# Altium PCB raspberry pi4.PcbDoc (part 1 of 2) (continued)
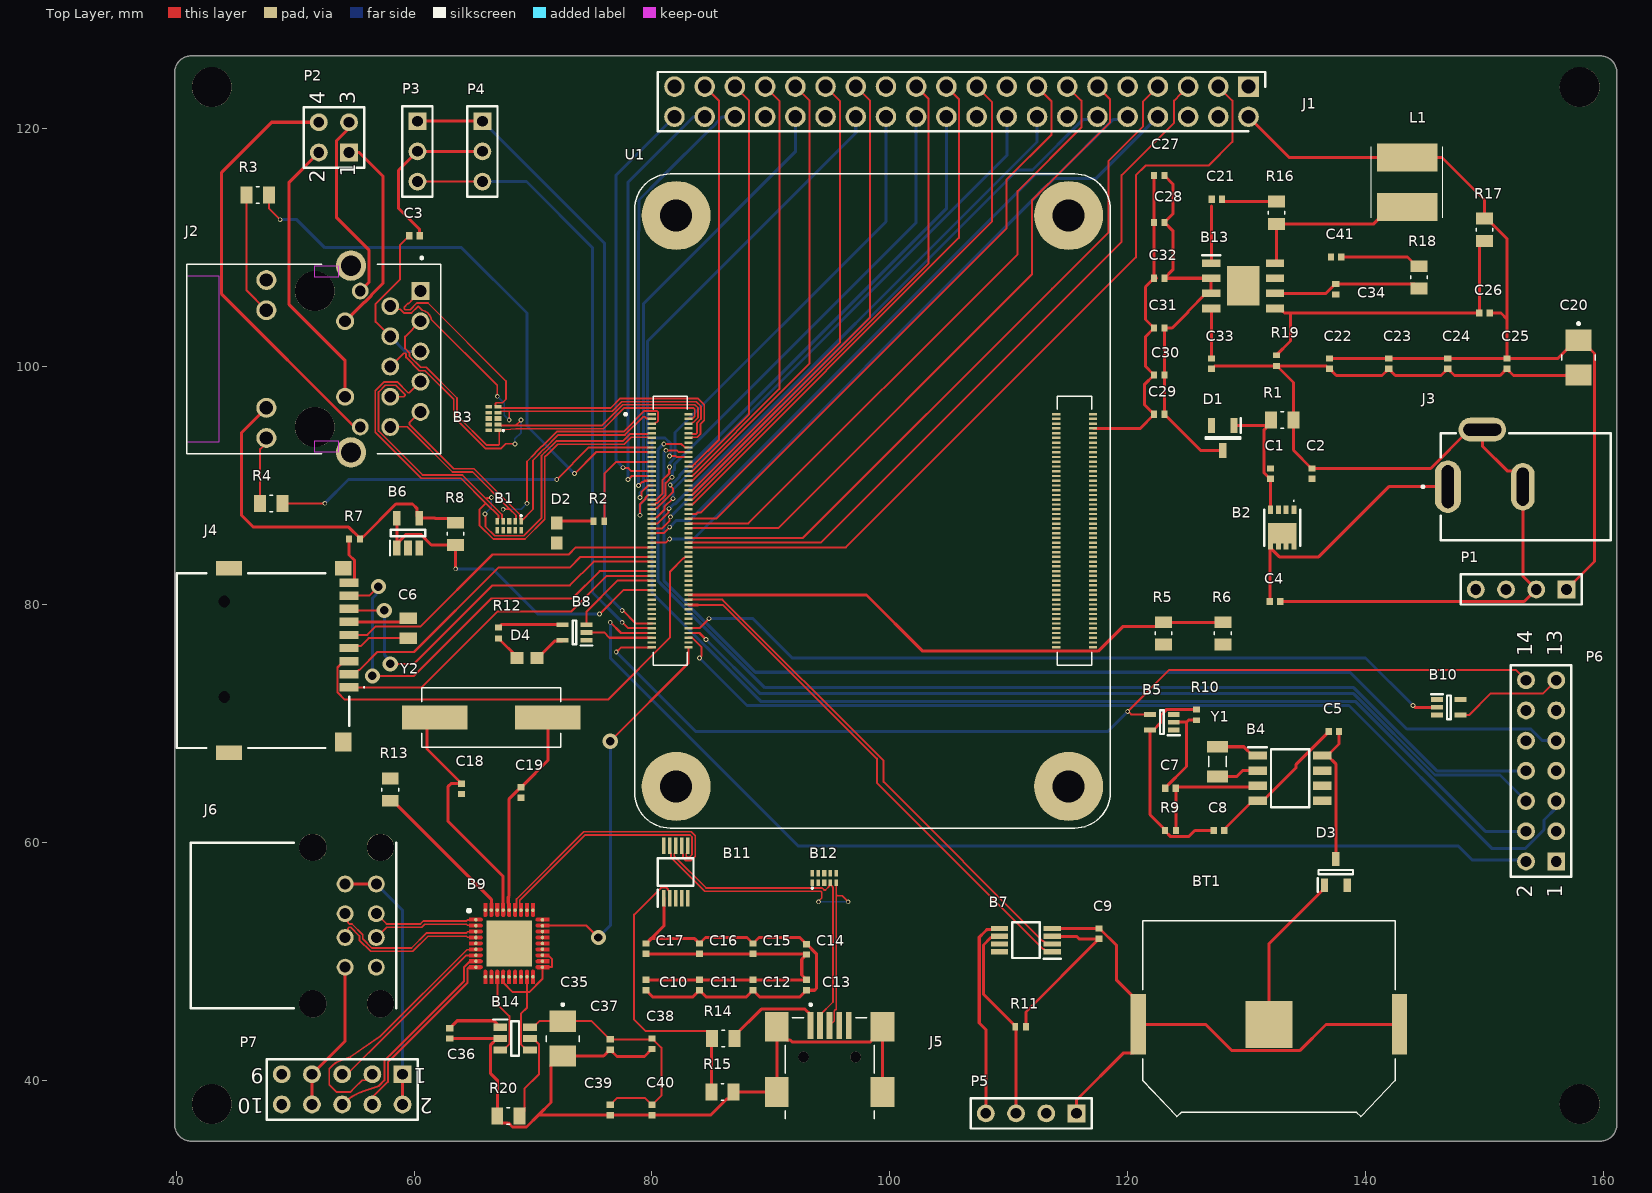
[diagram p0: Top Layer view]
## Footprints (in the part's own frame and the unit in brackets; to place one, negate y for a bottom-side part, rotate by r counter-clockwise, add the part's x,y. Pads: shape width x height; smd on the part's side, far side on the other; paste and mask are expansions set on the pad) (continued)
  rrect0% 3.85x3.85 smd: 37(0,0)
  Top Layer region: -1.85,3.375 -1.849,2.375 -1.854,2.336 -1.869,2.299 -1.893,2.268 -1.924,2.244 -1.961,2.229 -2,2.224 -2.039,2.229 -2.076,2.244 -2.107,2.268 -2.131,2.299 -2.146,2.336 -2.151,2.375 -2.15,2.375 -2.15,3.375 -1.85,3.375
  Top Layer region: -1.35,3.375 -1.349,2.375 -1.354,2.336 -1.369,2.299 -1.393,2.268 -1.424,2.244 -1.461,2.229 -1.5,2.224 -1.539,2.229 -1.576,2.244 -1.607,2.268 -1.631,2.299 -1.646,2.336 -1.651,2.375 -1.65,2.375 -1.65,3.375 -1.35,3.375
  Top Layer region: -0.85,3.375 -0.849,2.375 -0.854,2.336 -0.869,2.299 -0.893,2.268 -0.924,2.244 -0.961,2.229 -1,2.224 -1.039,2.229 -1.076,2.244 -1.107,2.268 -1.131,2.299 -1.146,2.336 -1.151,2.375 -1.15,2.375 -1.15,3.375 -0.85,3.375
  Top Layer region: -0.35,3.375 -0.349,2.375 -0.354,2.336 -0.369,2.299 -0.393,2.268 -0.424,2.244 -0.461,2.229 -0.5,2.224 -0.539,2.229 -0.576,2.244 -0.607,2.268 -0.631,2.299 -0.646,2.336 -0.651,2.375 -0.65,2.375 -0.65,3.375 -0.35,3.375
  Top Layer region: 0.15,3.375 0.151,2.375 0.146,2.336 0.131,2.299 0.107,2.268 0.076,2.244 0.039,2.229 0,2.224 -0.039,2.229 -0.076,2.244 -0.107,2.268 -0.131,2.299 -0.146,2.336 -0.151,2.375 -0.15,2.375 -0.15,3.375 0.15,3.375
  Top Layer region: 0.65,3.375 0.651,2.375 0.646,2.336 0.631,2.299 0.607,2.268 0.576,2.244 0.539,2.229 0.5,2.224 0.461,2.229 0.424,2.244 0.393,2.268 0.369,2.299 0.354,2.336 0.349,2.375 0.35,2.375 0.35,3.375 0.65,3.375
  Top Layer region: 1.15,3.375 1.151,2.375 1.146,2.336 1.131,2.299 1.107,2.268 1.076,2.244 1.039,2.229 1,2.224 0.961,2.229 0.924,2.244 0.893,2.268 0.869,2.299 0.854,2.336 0.849,2.375 0.85,2.375 0.85,3.375 1.15,3.375
  Top Layer region: 1.65,3.375 1.651,2.375 1.646,2.336 1.631,2.299 1.607,2.268 1.576,2.244 1.539,2.229 1.5,2.224 1.461,2.229 1.424,2.244 1.393,2.268 1.369,2.299 1.354,2.336 1.349,2.375 1.35,2.375 1.35,3.375 1.65,3.375
  Top Layer region: 2.15,3.375 2.151,2.375 2.146,2.336 2.131,2.299 2.107,2.268 2.076,2.244 2.039,2.229 2,2.224 1.961,2.229 1.924,2.244 1.893,2.268 1.869,2.299 1.854,2.336 1.849,2.375 1.85,2.375 1.85,3.375 2.15,3.375
  Top Layer region: 3.375,1.85 2.375,1.849 2.336,1.854 2.299,1.869 2.268,1.893 2.244,1.924 2.229,1.961 2.224,2 2.229,2.039 2.244,2.076 2.268,2.107 2.299,2.131 2.336,2.146 2.375,2.151 2.375,2.15 3.375,2.15 3.375,1.85
  Top Layer region: 3.375,1.35 2.375,1.349 2.336,1.354 2.299,1.369 2.268,1.393 2.244,1.424 2.229,1.461 2.224,1.5 2.229,1.539 2.244,1.576 2.268,1.607 2.299,1.631 2.336,1.646 2.375,1.651 2.375,1.65 3.375,1.65 3.375,1.35
  Top Layer region: 3.375,0.85 2.375,0.849 2.336,0.854 2.299,0.869 2.268,0.893 2.244,0.924 2.229,0.961 2.224,1 2.229,1.039 2.244,1.076 2.268,1.107 2.299,1.131 2.336,1.146 2.375,1.151 2.375,1.15 3.375,1.15 3.375,0.85
  Top Layer region: 3.375,0.35 2.375,0.349 2.336,0.354 2.299,0.369 2.268,0.393 2.244,0.424 2.229,0.461 2.224,0.5 2.229,0.539 2.244,0.576 2.268,0.607 2.299,0.631 2.336,0.646 2.375,0.651 2.375,0.65 3.375,0.65 3.375,0.35
  Top Layer region: 3.375,-0.15 2.375,-0.151 2.336,-0.146 2.299,-0.131 2.268,-0.107 2.244,-0.076 2.229,-0.039 2.224,0 2.229,0.039 2.244,0.076 2.268,0.107 2.299,0.131 2.336,0.146 2.375,0.151 2.375,0.15 3.375,0.15 3.375,-0.15
  Top Layer region: 3.375,-0.65 2.375,-0.651 2.336,-0.646 2.299,-0.631 2.268,-0.607 2.244,-0.576 2.229,-0.539 2.224,-0.5 2.229,-0.461 2.244,-0.424 2.268,-0.393 2.299,-0.369 2.336,-0.354 2.375,-0.349 2.375,-0.35 3.375,-0.35 3.375,-0.65
  Top Layer region: 3.375,-1.15 2.375,-1.151 2.336,-1.146 2.299,-1.131 2.268,-1.107 2.244,-1.076 2.229,-1.039 2.224,-1 2.229,-0.961 2.244,-0.924 2.268,-0.893 2.299,-0.869 2.336,-0.854 2.375,-0.849 2.375,-0.85 3.375,-0.85 3.375,-1.15
  Top Layer region: 3.375,-1.65 2.375,-1.651 2.336,-1.646 2.299,-1.631 2.268,-1.607 2.244,-1.576 2.229,-1.539 2.224,-1.5 2.229,-1.461 2.244,-1.424 2.268,-1.393 2.299,-1.369 2.336,-1.354 2.375,-1.349 2.375,-1.35 3.375,-1.35 3.375,-1.65
  Top Layer region: 3.375,-2.15 2.375,-2.151 2.336,-2.146 2.299,-2.131 2.268,-2.107 2.244,-2.076 2.229,-2.039 2.224,-2 2.229,-1.961 2.244,-1.924 2.268,-1.893 2.299,-1.869 2.336,-1.854 2.375,-1.849 2.375,-1.85 3.375,-1.85 3.375,-2.15
  Top Layer region: 1.85,-3.375 1.849,-2.375 1.854,-2.336 1.869,-2.299 1.893,-2.268 1.924,-2.244 1.961,-2.229 2,-2.224 2.039,-2.229 2.076,-2.244 2.107,-2.268 2.131,-2.299 2.146,-2.336 2.151,-2.375 2.15,-2.375 2.15,-3.375 1.85,-3.375
  Top Layer region: 1.35,-3.375 1.349,-2.375 1.354,-2.336 1.369,-2.299 1.393,-2.268 1.424,-2.244 1.461,-2.229 1.5,-2.224 1.539,-2.229 1.576,-2.244 1.607,-2.268 1.631,-2.299 1.646,-2.336 1.651,-2.375 1.65,-2.375 1.65,-3.375 1.35,-3.375
  Top Layer region: 0.85,-3.375 0.849,-2.375 0.854,-2.336 0.869,-2.299 0.893,-2.268 0.924,-2.244 0.961,-2.229 1,-2.224 1.039,-2.229 1.076,-2.244 1.107,-2.268 1.131,-2.299 1.146,-2.336 1.151,-2.375 1.15,-2.375 1.15,-3.375 0.85,-3.375
  Top Layer region: 0.35,-3.375 0.349,-2.375 0.354,-2.336 0.369,-2.299 0.393,-2.268 0.424,-2.244 0.461,-2.229 0.5,-2.224 0.539,-2.229 0.576,-2.244 0.607,-2.268 0.631,-2.299 0.646,-2.336 0.651,-2.375 0.65,-2.375 0.65,-3.375 0.35,-3.375
  Top Layer region: -0.15,-3.375 -0.151,-2.375 -0.146,-2.336 -0.131,-2.299 -0.107,-2.268 -0.076,-2.244 -0.039,-2.229 0,-2.224 0.039,-2.229 0.076,-2.244 0.107,-2.268 0.131,-2.299 0.146,-2.336 0.151,-2.375 0.15,-2.375 0.15,-3.375 -0.15,-3.375
  Top Layer region: -0.65,-3.375 -0.651,-2.375 -0.646,-2.336 -0.631,-2.299 -0.607,-2.268 -0.576,-2.244 -0.539,-2.229 -0.5,-2.224 -0.461,-2.229 -0.424,-2.244 -0.393,-2.268 -0.369,-2.299 -0.354,-2.336 -0.349,-2.375 -0.35,-2.375 -0.35,-3.375 -0.65,-3.375
  Top Layer region: -1.15,-3.375 -1.151,-2.375 -1.146,-2.336 -1.131,-2.299 -1.107,-2.268 -1.076,-2.244 -1.039,-2.229 -1,-2.224 -0.961,-2.229 -0.924,-2.244 -0.893,-2.268 -0.869,-2.299 -0.854,-2.336 -0.849,-2.375 -0.85,-2.375 -0.85,-3.375 -1.15,-3.375
  Top Layer region: -1.65,-3.375 -1.651,-2.375 -1.646,-2.336 -1.631,-2.299 -1.607,-2.268 -1.576,-2.244 -1.539,-2.229 -1.5,-2.224 -1.461,-2.229 -1.424,-2.244 -1.393,-2.268 -1.369,-2.299 -1.354,-2.336 -1.349,-2.375 -1.35,-2.375 -1.35,-3.375 -1.65,-3.375
  Top Layer region: -2.15,-3.375 -2.151,-2.375 -2.146,-2.336 -2.131,-2.299 -2.107,-2.268 -2.076,-2.244 -2.039,-2.229 -2,-2.224 -1.961,-2.229 -1.924,-2.244 -1.893,-2.268 -1.869,-2.299 -1.854,-2.336 -1.849,-2.375 -1.85,-2.375 -1.85,-3.375 -2.15,-3.375
  Top Layer region: -3.375,-1.85 -2.375,-1.849 -2.336,-1.854 -2.299,-1.869 -2.268,-1.893 -2.244,-1.924 -2.229,-1.961 -2.224,-2 -2.229,-2.039 -2.244,-2.076 -2.268,-2.107 -2.299,-2.131 -2.336,-2.146 -2.375,-2.151 -2.375,-2.15 -3.375,-2.15 -3.375,-1.85
  Top Layer region: -3.375,-1.35 -2.375,-1.349 -2.336,-1.354 -2.299,-1.369 -2.268,-1.393 -2.244,-1.424 -2.229,-1.461 -2.224,-1.5 -2.229,-1.539 -2.244,-1.576 -2.268,-1.607 -2.299,-1.631 -2.336,-1.646 -2.375,-1.651 -2.375,-1.65 -3.375,-1.65 -3.375,-1.35
  Top Layer region: -3.375,-0.85 -2.375,-0.849 -2.336,-0.854 -2.299,-0.869 -2.268,-0.893 -2.244,-0.924 -2.229,-0.961 -2.224,-1 -2.229,-1.039 -2.244,-1.076 -2.268,-1.107 -2.299,-1.131 -2.336,-1.146 -2.375,-1.151 -2.375,-1.15 -3.375,-1.15 -3.375,-0.85
  Top Layer region: -3.375,-0.35 -2.375,-0.349 -2.336,-0.354 -2.299,-0.369 -2.268,-0.393 -2.244,-0.424 -2.229,-0.461 -2.224,-0.5 -2.229,-0.539 -2.244,-0.576 -2.268,-0.607 -2.299,-0.631 -2.336,-0.646 -2.375,-0.651 -2.375,-0.65 -3.375,-0.65 -3.375,-0.35
  Top Layer region: -3.375,0.15 -2.375,0.151 -2.336,0.146 -2.299,0.131 -2.268,0.107 -2.244,0.076 -2.229,0.039 -2.224,0 -2.229,-0.039 -2.244,-0.076 -2.268,-0.107 -2.299,-0.131 -2.336,-0.146 -2.375,-0.151 -2.375,-0.15 -3.375,-0.15 -3.375,0.15
  Top Layer region: -3.375,0.65 -2.375,0.651 -2.336,0.646 -2.299,0.631 -2.268,0.607 -2.244,0.576 -2.229,0.539 -2.224,0.5 -2.229,0.461 -2.244,0.424 -2.268,0.393 -2.299,0.369 -2.336,0.354 -2.375,0.349 -2.375,0.35 -3.375,0.35 -3.375,0.65
  Top Layer region: -3.375,1.15 -2.375,1.151 -2.336,1.146 -2.299,1.131 -2.268,1.107 -2.244,1.076 -2.229,1.039 -2.224,1 -2.229,0.961 -2.244,0.924 -2.268,0.893 -2.299,0.869 -2.336,0.854 -2.375,0.849 -2.375,0.85 -3.375,0.85 -3.375,1.15
  Top Layer region: -3.375,1.65 -2.375,1.651 -2.336,1.646 -2.299,1.631 -2.268,1.607 -2.244,1.576 -2.229,1.539 -2.224,1.5 -2.229,1.461 -2.244,1.424 -2.268,1.393 -2.299,1.369 -2.336,1.354 -2.375,1.349 -2.375,1.35 -3.375,1.35 -3.375,1.65
  Top Layer region: -3.375,2.15 -2.375,2.151 -2.336,2.146 -2.299,2.131 -2.268,2.107 -2.244,2.076 -2.229,2.039 -2.224,2 -2.229,1.961 -2.244,1.924 -2.268,1.893 -2.299,1.869 -2.336,1.854 -2.375,1.849 -2.375,1.85 -3.375,1.85 -3.375,2.15
  silkscreen extent -3.5,2.63 -3.25,2.87, body extent -3.05,-3.05 3.05,3.05, height 1
RESC1005X35N [mm]
  rect 0.49x0.6 smd: 1(-0.457,0) 2(0.457,0)
  body extent -0.5,-0.25 0.5,0.25, height 0.35
RESC2012X65N [mm]
  rect 1x1.42 smd: 1(-0.935,0) 2(0.935,0)
  silkscreen extent -0.12,-0.7 0.12,0.7, body extent -1,-0.63 1,0.63, height 0.65
SOIC127P600X163-9N [mm]
  rect 1.525x0.65 smd: 1(-2.688,1.905) 2(-2.688,0.635) 3(-2.688,-0.635) 4(-2.688,-1.905) 5(2.688,-1.905) 6(2.688,-0.635) 7(2.688,0.635) 8(2.688,1.905)
  rect 2.71x3.35 smd: 9(0,0)
  silkscreen extent -3.45,2.58 -1.92,2.58, body extent -3,-2.45 3,2.45, height 1.63
SOIC127P600X175-8N [mm]
  rect 1.55x0.7 smd: 1(-2.725,1.905) 2(-2.725,0.635) 3(-2.725,-0.635) 4(-2.725,-1.905) 5(2.725,-1.905) 6(2.725,-0.635) 7(2.725,0.635) 8(2.725,1.905)
  silkscreen extent -3.5,-2.45 1.6,2.61, body extent -3,-2.45 3,2.45, height 1.46
SOP50P490X110-10N [mm]
  rect 1.4x0.3 smd: 1(-2.2,1) 2(-2.2,0.5) 3(-2.2,0) 4(-2.2,-0.5) 5(-2.2,-1) 6(2.2,-1) 7(2.2,-0.5) 8(2.2,0) 9(2.2,0.5) 10(2.2,1)
  silkscreen extent -2.9,-1.5 1.15,1.5, body extent -2.45,-1.5 2.45,1.5, height 1.1
SOP65P490X110-8N [mm]
  rect 1.45x0.45 smd: 1(-2.225,0.975) 2(-2.225,0.325) 3(-2.225,-0.325) 4(-2.225,-0.975) 5(2.225,-0.975) 6(2.225,-0.325) 7(2.225,0.325) 8(2.225,0.975)
  silkscreen extent -2.95,-1.5 1.15,1.55, body extent -2.45,-1.5 2.45,1.5, height 1.1
SOT65P210X110-5N [mm]
  rect 1x0.4 smd: 1(-1,0.65) 2(-1,0) 3(-1,-0.65) 4(1,-0.65) 5(1,0.65)
  silkscreen extent -1.5,-1 0.15,1.1, body extent -1.05,-1 1.05,1, height 1.1
SOT94P280X100-5N [mm]
  rect 1.25x0.65 smd: 1(-1.25,0.94) 2(-1.25,0) 3(-1.25,-0.94) 4(1.25,-0.94) 5(1.25,0.94)
  silkscreen extent -1.88,-1.45 0.28,1.51, body extent -1.4,-1.45 1.4,1.45, height 1
SOT95P280X145-6N [mm]
  rect 1.15x0.6 smd: 1(-1.25,0.95) 2(-1.25,0) 3(-1.25,-0.95) 4(1.25,-0.95) 5(1.25,0) 6(1.25,0.95)
  silkscreen extent -1.83,-1.45 0.33,1.6, body extent -1.4,-1.45 1.4,1.45, height 1.45
SOT96P237X111-3N [mm]
  rect 1.25x0.6 smd: 1(-1.05,0.955) 2(-1.05,-0.955) 3(1.05,0)
  silkscreen extent -1.68,-1.46 0.08,1.51, body extent -1.18,-1.46 1.18,1.46, height 1.11
SOT96P240X115-3N [mm]
  rect 1.15x0.6 smd: 1(-1.1,0.96) 2(-1.1,-0.96) 3(1.1,0)
  silkscreen extent -1.68,-1.45 0.18,1.51, body extent -1.26,-1.5 1.39,1.5, height 1.08
SRN6045TA330M [mm]
  rect 5.1x2.35 smd: 1(0,-2.075) 2(0,2.075)
  silkscreen extent -3,-3 3,3, body extent -3,-3 3,3, height 3.94
XTAL_CM7V-T1A-32.768KHZ-12.5PF-10PPM-TB-QC [mm]
  rect 1x1.8 smd: 1(-1.25,0) 2(1.25,0)
  silkscreen extent -0.43,-0.75 0.43,0.75, body extent -1.6,-0.75 1.6,0.75, height 0.65
XTAL_FOXSDLF/240F-20 [mm]
  rect 5.5x2 smd: 1(-4.75,0) 2(4.75,0)
  silkscreen extent -5.85,-2.5 5.85,2.5, body extent -6.75,-2.5 6.75,2.5, height 4.5

## Part data
B1 B3 B12: "Texas Instruments TPD4EUSB30DQAR, USB Controller, 6Gbit/s, USB 3.0, 10-Pin SON", Manufacturer_Name="Texas Instruments", Mouser Part Number=595-TPD4EUSB30DQAR, Arrow Part Number=TPD4EUSB30DQAR, Arrow Price/Stock=https://www.arrow.com/en/products/tpd4eusb30dqar/texas-instruments?utm_currency=USD&region=nac, Datasheet Link=http://www.ti.com/lit/gpn/tpd4eusb30, Manufacturer_Part_Number=TPD4EUSB30DQAR, Mouser Price/Stock=https://www.mouser.co.uk/ProductDetail/Texas-Instruments/TPD4EUSB30DQAR?qs=Ze4%2FuFuz19JpY4uqYOLMbQ%3D%3D
B2: "Trans MOSFET P-CH 30V 12A 8-Pin PowerDI EP T/R", Manufacturer_Name="Diodes Incorporated", Mouser Part Number=621-DMP3013SFV-7, Arrow Part Number=DMP3013SFV-7, Arrow Price/Stock=https://www.arrow.com/en/products/dmp3013sfv-7/diodes-incorporated?utm_currency=USD&region=nac, Datasheet Link=https://www.diodes.com//assets/Datasheets/DMP3013SFV.pdf, Manufacturer_Part_Number=DMP3013SFV-7, Mouser Price/Stock=https://www.mouser.co.uk/ProductDetail/Diodes-Incorporated/DMP3013SFV-7?qs=W0yvOO0ixfH1hnmiAtL1VQ%3D%3D
B4: "Real Time Clock Low Power Real time clocks", Arrow Part Number=PCF85063AT/AAZ, Manufacturer_Name=NXP, Mouser Part Number=771-PCF85063AT/AAZ, Arrow Price/Stock=https://www.arrow.com/en/products/pcf85063ataaz/nxp-semiconductors?region=nac, Datasheet Link=http://www.nxp.com/docs/en/data-sheet/PCF85063A.pdf, Geometry.Height=1.75mm, Manufacturer_Part_Number=PCF85063AT/AAZ, Mouser Price/Stock=https://www.mouser.co.uk/ProductDetail/NXP-Semiconductors/PCF85063AT-AAZ?qs=sV%252BQJnSpgu9E5WpV9lmUdg%3D%3D
B5 B8 B10: "Buffers & Line Drivers Single Gate Open Out 1.65 to 5.5V 32mA", Manufacturer_Name="Diodes Incorporated", Mouser Part Number=621-74LVC1G07SE-7, Arrow Part Number=74LVC1G07SE-7, Arrow Price/Stock=https://www.arrow.com/en/products/74lvc1g07se-7/diodes-incorporated?utm_currency=USD&region=europe, Datasheet Link=https://www.diodes.com//assets/Datasheets/74LVC1G07.pdf, Geometry.Height=1.1mm, Manufacturer_Part_Number=74LVC1G07SE-7, Mouser Price/Stock=https://www.mouser.co.uk/ProductDetail/Diodes-Incorporated/74LVC1G07SE-7?qs=abZ1nkZpTuNoZmx9wrxFdA%3D%3D
B6: "POWER LOAD SWITCH, HIGH SIDE, TSOT-23-5; Power Load Switch Type:High Side; Input Voltage:6V; Current Limit:1.1A; On State Resistance:0.07ohm; Distribution Switch Case Style:TSOT-23; No. of Pins:5Pins; Thermal Protection:Yes; On / RoHS Compliant: Yes", Manufacturer_Name=RICHTEK, Mouser Part Number=835-RT9742GGJ5, Datasheet Link=https://componentsearchengine.com/Datasheets/2/RT9742GGJ5.pdf, Geometry.Height=1mm, Manufacturer_Part_Number=RT9742GGJ5, Mouser Price/Stock=https://www.mouser.co.uk/ProductDetail/Richtek/RT9742GGJ5?qs=amGC7iS6iy%2FZU2tAnLZxIA%3D%3D
B7: "RPM-Based PWM Fan Speed Controller MSOP8", Manufacturer_Name=Microchip, Mouser Part Number=886-EMC2301-1-ACZLTR, Arrow Part Number=EMC2301-1-ACZL-TR, Arrow Price/Stock=https://www.arrow.com/en/products/emc2301-1-aczl-tr/microchip-technology?region=nac, Datasheet Link=http://www.microchip.com/mymicrochip/filehandler.aspx?ddocname=en562400, Geometry.Height=1.1mm, Manufacturer_Part_Number=EMC2301-1-ACZL-TR, Mouser Price/Stock=https://www.mouser.co.uk/ProductDetail/Microchip-Technology/EMC2301-1-ACZL-TR?qs=pA5MXup5wxFdFYiBpDRrfw%3D%3D
B9: "Microchip USB2514B-I/M2, USB Controller, USB 2.0, 3.3 V, 36-Pin SQFN", Arrow Part Number=USB2514B-I/M2, Manufacturer_Name=Microchip, Mouser Part Number=579-USB2514B-I/M2, Arrow Price/Stock=https://www.arrow.com/en/products/usb2514b-im2/microchip-technology?region=nac, Datasheet Link=http://ww1.microchip.com/downloads/en/DeviceDoc/00001692C.pdf, Geometry.Height=1mm, Manufacturer_Part_Number=USB2514B-I/M2, Mouser Price/Stock=https://www.mouser.co.uk/ProductDetail/Microchip-Technology/USB2514B-I-M2?qs=uus7iwvxYD%252BYUekNs2mWlw%3D%3D
B11: "15A Maximum ICCT over and Expanded Control Voltage Range (VIN= 1.8V, VCC= 4.3V) ; Packaged in: ; Low On Resistance: 3.9 Typical ; 8kV ESD Rating, >16kV Power/GND ESD Rating ; 10-Lead MSOP ; Low Power Consumption: 1A Maximum ; Wide -3dB Bandwitch: > 720MHz ; Low On Capacitance: 3.7pF Typical ; Over-Voltage Tolerance (OVT) on all USB Ports Up to 5.25V without External Components; 10-Lead UMLP (1.4 x 1.8mm)", Manufacturer_Name=onsemi, Mouser Part Number=512-FSUSB42MUX, Arrow Part Number=FSUSB42MUX, Arrow Price/Stock=https://www.arrow.com/en/products/fsusb42mux/on-semiconductor?utm_currency=USD&region=nac, Datasheet Link=https://www.onsemi.com/pub/Collateral/FSUSB42-D.PDF, Geometry.Height=1.1mm, Manufacturer_Part_Number=FSUSB42MUX, Mouser Price/Stock=https://www.mouser.co.uk/ProductDetail/onsemi-Fairchild/FSUSB42MUX?qs=yA6kp8fx8Y59RAD4iJDRWg%3D%3D
B13: "Conv DC-DC 3.8V to 40V Synchronous Step Down Single-Out 0.8V to 39V 5A 8-Pin SO EP T/R", Manufacturer_Name="Diodes Incorporated", Mouser Part Number=621-AP64501SP-13, Arrow Part Number=AP64501SP-13, Arrow Price/Stock=https://www.arrow.com/en/products/ap64501sp-13/diodes-incorporated?utm_currency=USD&region=nac, Datasheet Link=https://www.diodes.com//assets/Datasheets/AP64501.pdf, Geometry.Height=1.63mm, Manufacturer_Part_Number=AP64501SP-13, Mouser Price/Stock=https://www.mouser.co.uk/ProductDetail/Diodes-Incorporated/AP64501SP-13?qs=P1JMDcb91o7FS0GU%252BW7TIQ%3D%3D
B14: "Power Switch ICs - Power Distribution 1-Ch Precision Curr-Limit Load SW", Manufacturer_Name="Diodes Incorporated", Mouser Part Number=621-AP22653W6-7, Arrow Part Number=AP22653W6-7, Arrow Price/Stock=null?region=asia, Datasheet Link=https://www.diodes.com//assets/Datasheets/AP22652_53_52A_53A.pdf, Geometry.Height=1.45mm, Manufacturer_Part_Number=AP22653W6-7, Mouser Price/Stock=https://www.mouser.co.uk/ProductDetail/Diodes-Incorporated/AP22653W6-7?qs=rkhjVJ6%2F3ELFrpB7eThLLg%3D%3D
BT1: "SMT Holder for 20mm Cell-Tin Nickel Plate", Package=None, Availability="Not in stock", Check_prices=https://www.snapeda.com/parts/3034/Keystone+Electronics/view-part/?ref=eda, MF="Keystone Electronics Corp.", MP=3034, Price=None, SnapEDA_Link=https://www.snapeda.com/parts/3034/Keystone+Electronics/view-part/?ref=snap
C1 C3 C4 C5 C7 C8 C9 C12 C13 C14 C15 C16 C17 C18 C19 C21 C26 C33 C34 C41: library part C1005X7R1C104M050BC, "C Series 0402 0.1 uF 16 V Â±20 % Tolerance X7R SMT Multilayer Ceramic Capacitor", Package="1005 TDK", Availability="In Stock", Check_prices=https://www.snapeda.com/parts/C1005X7R1C104M050BC/TDK/view-part/?ref=eda, MF=TDK, MP=C1005X7R1C104M050BC, Price=None, Purchase-URL=https://pricing.snapeda.com/search/part/C1005X7R1C104M050BC/?ref=eda, SnapEDA_Link=https://www.snapeda.com/parts/C1005X7R1C104M050BC/TDK/view-part/?ref=snap
C2 C10 C11 C22 C23 C24 C25 C27 C28 C29 C30 C31 C32 C36 C37 C38 C39 C40: library part C2012X6S1C106K125AC, "C Series 0805 10 uF 16 V Â±10 % Tolerance X6S SMT Multilayer Ceramic Capacitor", Package="2012 TDK", Check_prices=https://www.snapeda.com/parts/C2012X6S1C106K125AC/TDK-Lambda+Americas+Inc/view-part/?ref=eda, MF=TDK, MP=C2012X6S1C106K125AC, Purchase-URL=https://pricing.snapeda.com/search/part/C2012X6S1C106K125AC/?ref=eda, SnapEDA_Link=https://www.snapeda.com/parts/C2012X6S1C106K125AC/TDK-Lambda+Americas+Inc/view-part/?ref=snap
C6: library part GRM21BC8YA106ME11L, "Multilayer Ceramic Capacitors MLCC - SMD/SMT 0805 10uF 35volts *Derate Voltage/Temp", Manufacturer_Name="Murata Electronics", Mouser Part Number=81-GRM21BC8YA106ME1L, Datasheet Link=https://search.murata.co.jp/Ceramy/image/img/A01X/G101/ENG/GRM21BC8YA106ME11-01A.pdf, Geometry.Height=1.45mm, Manufacturer_Part_Number=GRM21BC8YA106ME11L, Mouser Price/Stock=https://www.mouser.co.uk/ProductDetail/Murata-Electronics/GRM21BC8YA106ME11L?qs=K0Sa7bCb58JXd%2FLXsBufTg%3D%3D
C20 C35: library part T543B107K006AHW025, "100 ÂµF Molded Tantalum Polymer Capacitor 6.3 V 1411 (3528 Metric) 25mOhm @ 100kHz", Package="SMD-2 Kemet", Check_prices=https://www.snapeda.com/parts/T543B107K006AHW025/KEMET/view-part/?ref=eda, MF=KEMET, MP=T543B107K006AHW025, SnapEDA_Link=https://www.snapeda.com/parts/T543B107K006AHW025/KEMET/view-part/?ref=snap
D1: "225 mW Rating on FR-4 or FR-5 Board; Zener Voltage Range - 2.4 V to 91 V; Package Designed for Optimal Automated Board Assembly; Small Package Size for High Density Applications; ESD Rating of Class 3 (>16 KV) per Human Body Model Mechanical Characteristics; CASE: Void-free, transfer-molded, thermosetting plastic case; FINISH: Corrosion resistant finish, easily solderable; MAXIMUM CASE TEMPERATURE FOR SOLDERING PURPOSES: 260C for 10 Seconds; POLARITY: Cathode indicated by polarity band; FLAMMABILITY RATING:", Manufacturer_Name=onsemi, Mouser Part Number=863-MMBZ5242BLT3G, Arrow Part Number=MMBZ5242BLT3G, Arrow Price/Stock=https://www.arrow.com/en/products/mmbz5242blt3g/on-semiconductor?utm_currency=USD&region=nac, Datasheet Link=https://www.onsemi.com/pub/Collateral/MMBZ5221BLT1-D.PDF, Geometry.Height=1.11mm, Manufacturer_Part_Number=MMBZ5242BLT3G, Mouser Price/Stock=https://www.mouser.co.uk/ProductDetail/onsemi/MMBZ5242BLT3G?qs=P4IOph%252Bbot8zm7%252BOlKh6Qw%3D%3D
D2: library part LTST-S270KGKT, "Green 571nm LED Indication - Discrete 2V 0603 _1608 Metric_", Package="0603 Lite-On", Availability=Unavailable, MF="Lite-On Inc.", MP=LTST-S270KGKT, Price=None, SnapEDA_Link=https://www.snapeda.com/parts/LTST-S270KGKT/Lite-On%20Inc./view-part/268457/?ref=snap
D3: "DiodesZetex   ,  30V, 3 SOT-23,  +150 C", Manufacturer_Name="Diodes Incorporated", Mouser Part Number=621-BAT54C-F, Arrow Part Number=BAT54C-7-F, Arrow Price/Stock=https://www.arrow.com/en/products/bat54c-7-f/diodes-incorporated?utm_currency=USD&region=nac, Datasheet Link=https://www.diodes.com//assets/Datasheets/BAT54_A_C_S.pdf, Geometry.Height=1.15mm, Manufacturer_Part_Number=BAT54C-7-F, Mouser Price/Stock=https://www.mouser.co.uk/ProductDetail/Diodes-Incorporated/BAT54C-7-F?qs=A%2FGeX6qn32NJhN9M%2F3GNcA%3D%3D
D4: library part LTST-S270KRKT, "http://octopart.com/ltst-c190tbkt-lite-on-550003", Package=None, Availability=Unavailable, MF="{'manufacturer': u'Lite-On Inc.'}", MP=LTST-S270KRKT, Price=None
J1: "2.54MM ... PRPC040SBAN-M71RC, CONN HEADER R/A 40POS 2.54MM, Header, Breakaway, Male Pin, 0.100\" (2.54mm), 40,", Manufacturer_Name=valcon, Datasheet Link=https://datasheet.octopart.com/THD-20-R-Valcon-datasheet-116534095.pdf, Geometry.Height=8.9mm, Manufacturer_Part_Number=THD-20-R
J2: "1 Port RJ45 Magjack Connector Through Hole 10/100 Base-T, AutoMDIX", Manufacturer_Name="Bel Magnetic Solutions", Datasheet Link=http://www.link-pp.com/upload/file/20180411/20180411182938293829.pdf, Geometry.Height=13.3mm, Manufacturer_Part_Number=MAGJACK-A70-112-331N126
J3: "Power Barrel Connector Jack 2.05mm ID (0.081), 5.50mm OD (0.217) Through Hole, Right Angle", Package=None, Check_prices=https://www.snapeda.com/parts/DCJ200-10-A-K1-K/Global+Connector+Technology/view-part/?ref=eda, MF="Global Connector Technology", MP=DCJ200-10-A-K1-K, SnapEDA_Link=https://www.snapeda.com/parts/DCJ200-10-A-K1-K/Global+Connector+Technology/view-part/?ref=snap
J4: "Memory Card Connectors MICRO SD CARD CONNECTOR WITH PUSH PUSH EJECT ACTION", Manufacturer_Name="Olimex Ltd.", Mouser Part Number=N/A, Datasheet Link=https://www.olimex.com/Products/Components/Connectors/MICRO-SD-CARD/resources/MICRO-SDCARD-1.jpg, Geometry.Height=2mm, Manufacturer_Part_Number=MICRO-SD-CARD, Mouser Price/Stock=https://www.mouser.co.uk/ProductDetail/Olimex-Ltd/MICRO-SD-CARD?qs=Rp5uXu7WBW8fXUZTWj6z0w%3D%3D
J5: "USB - mini B USB 2.0 Receptacle Connector 5 Position Surface Mount, Right Angle", Package=None, Availability=Good, Check_prices=https://www.snapeda.com/parts/690-005-299-043/EDAC%20Inc./view-part/347309/?ref=eda, MF="EDAC Inc.", MP=690-005-299-043, Price=None, Purchase-URL=https://pricing.snapeda.com/search/part/690-005-299-043/?ref=eda, SnapEDA_Link=https://www.snapeda.com/parts/690-005-299-043/EDAC%20Inc./view-part/347309/?ref=snap
J6: "USB-A (USB TYPE-A), Stacked - Receptacle Connector 8 Position Through Hole, Right Angle", Package=None, Availability="In Stock", Check_prices=https://www.snapeda.com/parts/67298-4090/Molex/view-part/?ref=eda, MF=Molex, MP=67298-4090, Price=None, Purchase-URL=https://pricing.snapeda.com/search/part/67298-4090/?ref=eda, SnapEDA_Link=https://www.snapeda.com/parts/67298-4090/Molex/view-part/?ref=snap
L1: "BOURNS - SRN6045TA-3R3Y - INDUCTOR, AEC-Q200, 3.3UH, 5A, 30% Semi-shielded Power Inductors", Manufacturer_Name=Bourns, Mouser Part Number=652-SRN6045TA-3R3Y, Arrow Part Number=SRN6045TA-3R3Y, Arrow Price/Stock=https://www.arrow.com/en/products/srn6045ta-3r3y/bourns?utm_currency=USD&region=europe, Datasheet Link=http://www.bourns.com/docs/Product-Datasheets/SRN6045TA.pdf, Geometry.Height=4.5mm, Manufacturer_Part_Number=SRN6045TA-3R3Y, Mouser Price/Stock=https://www.mouser.co.uk/ProductDetail/Bourns/SRN6045TA-3R3Y?qs=Vt59ZOdFuWZ4MyJAxNBCDg%3D%3D
P1 P5: "Header, 4-Pin", LatestRevisionDate=17-Jul-2002, LatestRevisionNote="Re-released for DXP Platform.", Publisher="Altium Limited"
P2: "Header, 2-Pin, Dual row", LatestRevisionDate=17-Jul-2002, LatestRevisionNote="Re-released for DXP Platform.", Publisher="Altium Limited"
P3 P4: "Header, 3-Pin", LatestRevisionDate=17-Jul-2002, LatestRevisionNote="Re-released for DXP Platform.", Publisher="Altium Limited"
P6: "Header, 7-Pin, Dual row", LatestRevisionDate=17-Jul-2002, LatestRevisionNote="Re-released for DXP Platform.", Publisher="Altium Limited"
P7: "Header, 5-Pin, Dual row", LatestRevisionDate=17-Jul-2002, LatestRevisionNote="Re-released for DXP Platform.", Publisher="Altium Limited"
R1 R8 R13 R14 R15 R17 R18 R20: library part CPF0402B12K1E1, "Surface Mount Thin Film Resistor, Cpf Series, 12.1 Kohm, 63 Mw, - 0.1%, 25 V", Package=None, Availability=Unavailable, MP=CPF0402B12K1E1, Price=None
R2 R7 R9 R10 R11 R12: library part CPF0402B1K1E1, "CPF 0402 1K1 0.1% 25PPM 1K RL", Package=None, Availability=Unavailable, MP=CPF0402B1K1E1, Price=None
R3 R4: library part CPF0402B470RE1, "CPF 0402 470R 0.1% 25PPM 1K RL", Package=None, Availability=Unavailable, MP=CPF0402B470RE1, Price=None
R5: library part CPF0805B2K7E1, "RES SMD 2.7K OHM 0.1% 1/10W 0805", Package=None, Availability=Unavailable, MP=CPF0805B2K7E1, Price=None
R6 R16: library part CPF0805B20RE1, "CPF 0805 20R 0.1% 25PPM 1K RL", Package=None, Availability=Unavailable, MP=CPF0805B20RE1, Price=None
R19: library part CPF0402B2K1E1, "CPF 0402 2K1 0.1% 25PPM 1K RL", Package=None, Availability=Unavailable, MP=CPF0402B2K1E1, Price=None
U1: "Raspberry Pi Compute Module 4 with WiFi 2GB RAM 8GB Flash", Package=None, Check_prices=https://www.snapeda.com/parts/CM4102008/Raspberry+Pi/view-part/?ref=eda, MF="Raspberry Pi", MP=CM4102008, SnapEDA_Link=https://www.snapeda.com/parts/CM4102008/Raspberry+Pi/view-part/?ref=snap
Y1: "Tuning Fork Crystal 32.768kHz in SMD 1.5 x 3.2 mm package", Package="SMD-2 Micro Crystal", Check_prices=https://www.snapeda.com/parts/CM7V-T1A-32.768KHZ-12.5PF-10PPM-TB-QC/Micro+Crystal/view-part/?ref=eda, MF="Micro Crystal", MP=CM7V-T1A-32.768KHZ-12.5PF-10PPM-TB-QC, SnapEDA_Link=https://www.snapeda.com/parts/CM7V-T1A-32.768KHZ-12.5PF-10PPM-TB-QC/Micro+Crystal/view-part/?ref=snap
Y2: "24 MHz Â±30 ppm Cristal 20 pF 30 ohmios HC-49/US", Package="HC49SD Fox Electronics", Check_prices=https://www.snapeda.com/parts/FOXSDLF/240F-20/Fox+Electronics/view-part/?ref=eda, MF="Fox Electronics", MP=FOXSDLF/240F-20, SnapEDA_Link=https://www.snapeda.com/parts/FOXSDLF/240F-20/Fox+Electronics/view-part/?ref=snap

## Free pads (board coordinates)
  oval 2x1.524 on Mech16: 11(32.512,125.349)
  round 3.35 hole 3.35 unplated: MH(43,38) MH(43,123.5) MH(158,38) MH(158,123.5)

## Via types
v1: diameter 0.4, hole 0.25, Top Layer to Bottom Layer, 41 vias
v2: diameter 1.27, hole 0.711, Top Layer to Bottom Layer, 6 vias

## Nets (pads, with @x,y where several pads share a name; then routed paths per layer and width w, separated by ;. In a path a pad name is that pad's centre, name@x,y a point inside that pad or via, vN(x,y) a via of type N, cw(c..) or ccw(c..) an arc to the next point about the centre after c; other vN are vias at no path point)
"1.8 V": R6.1 U1.88 U1.90